# Altium PCB ultra.PcbDoc (part 1 of 9)
Units mm, origin at the board's own origin, x right, y up, seen from the top; angles counter-clockwise.
Board outline 210 x 210 mm, 2 copper layers (Top Layer, Bottom Layer), stack 1.591 mm thick; 722 components, 1083 nets, 2232 pads, 1540 vias.
Unrouted connection lines stored in the file: 21.
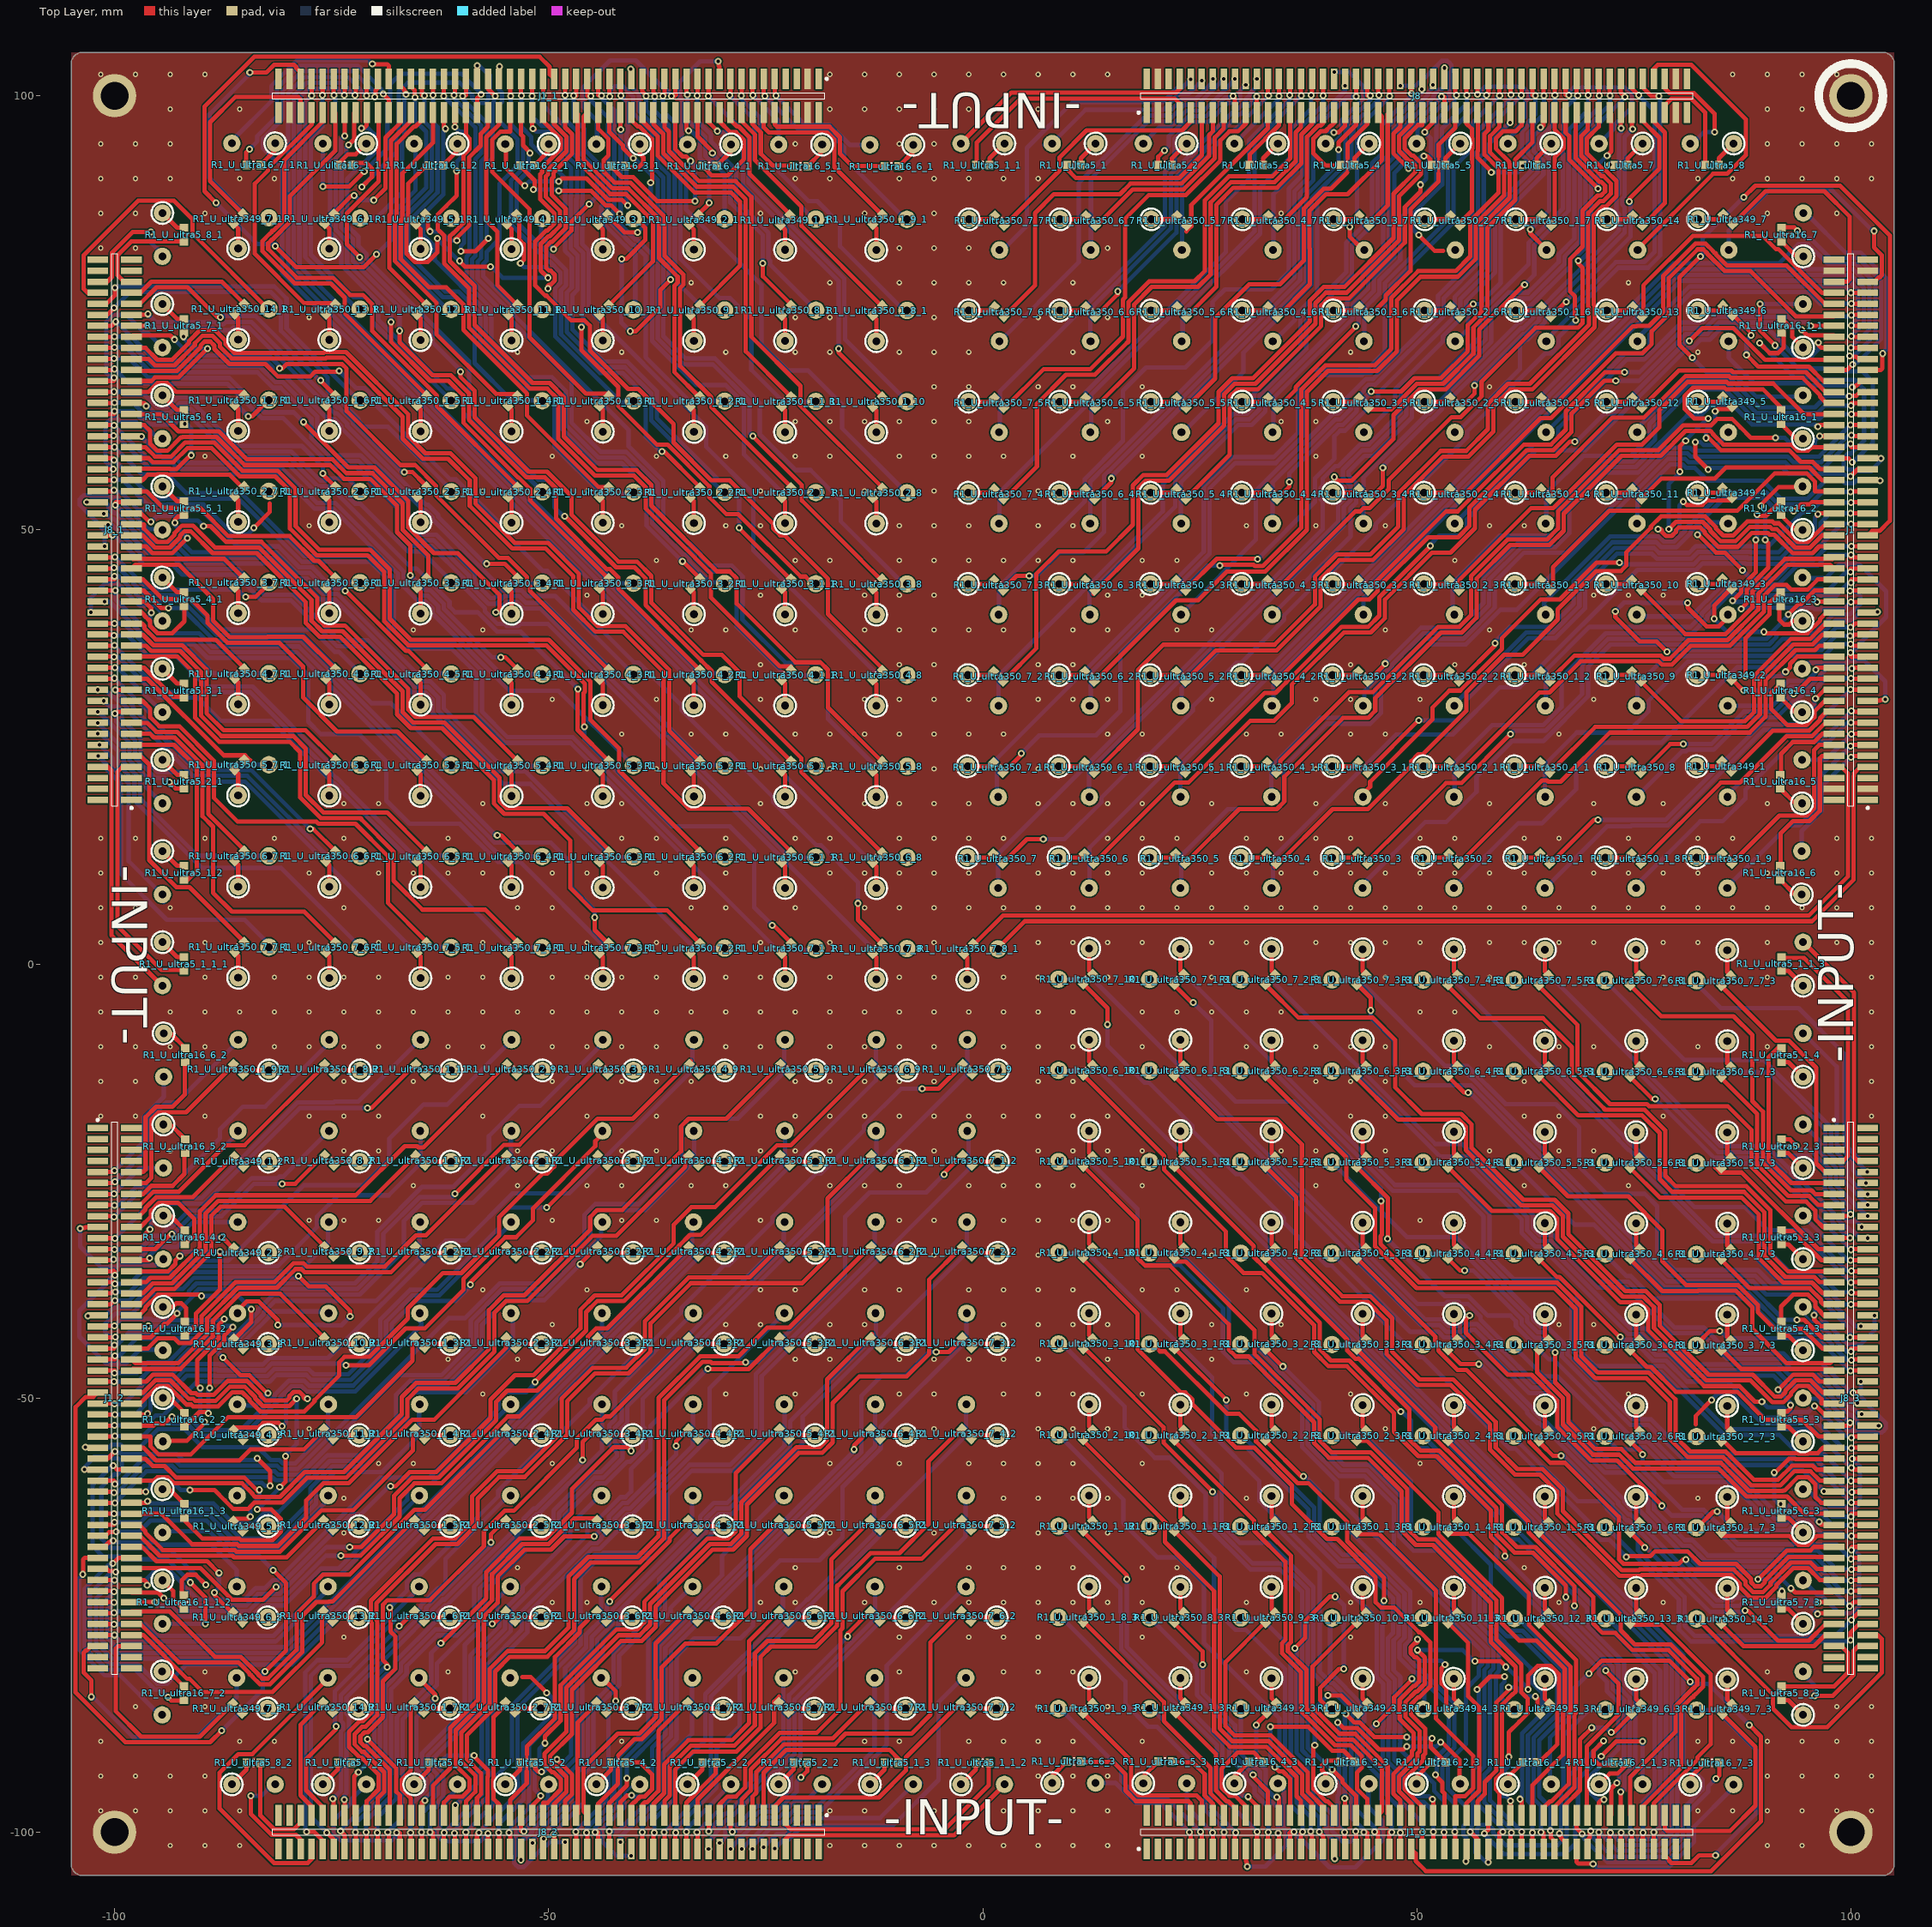
[diagram p0: Top Layer view]
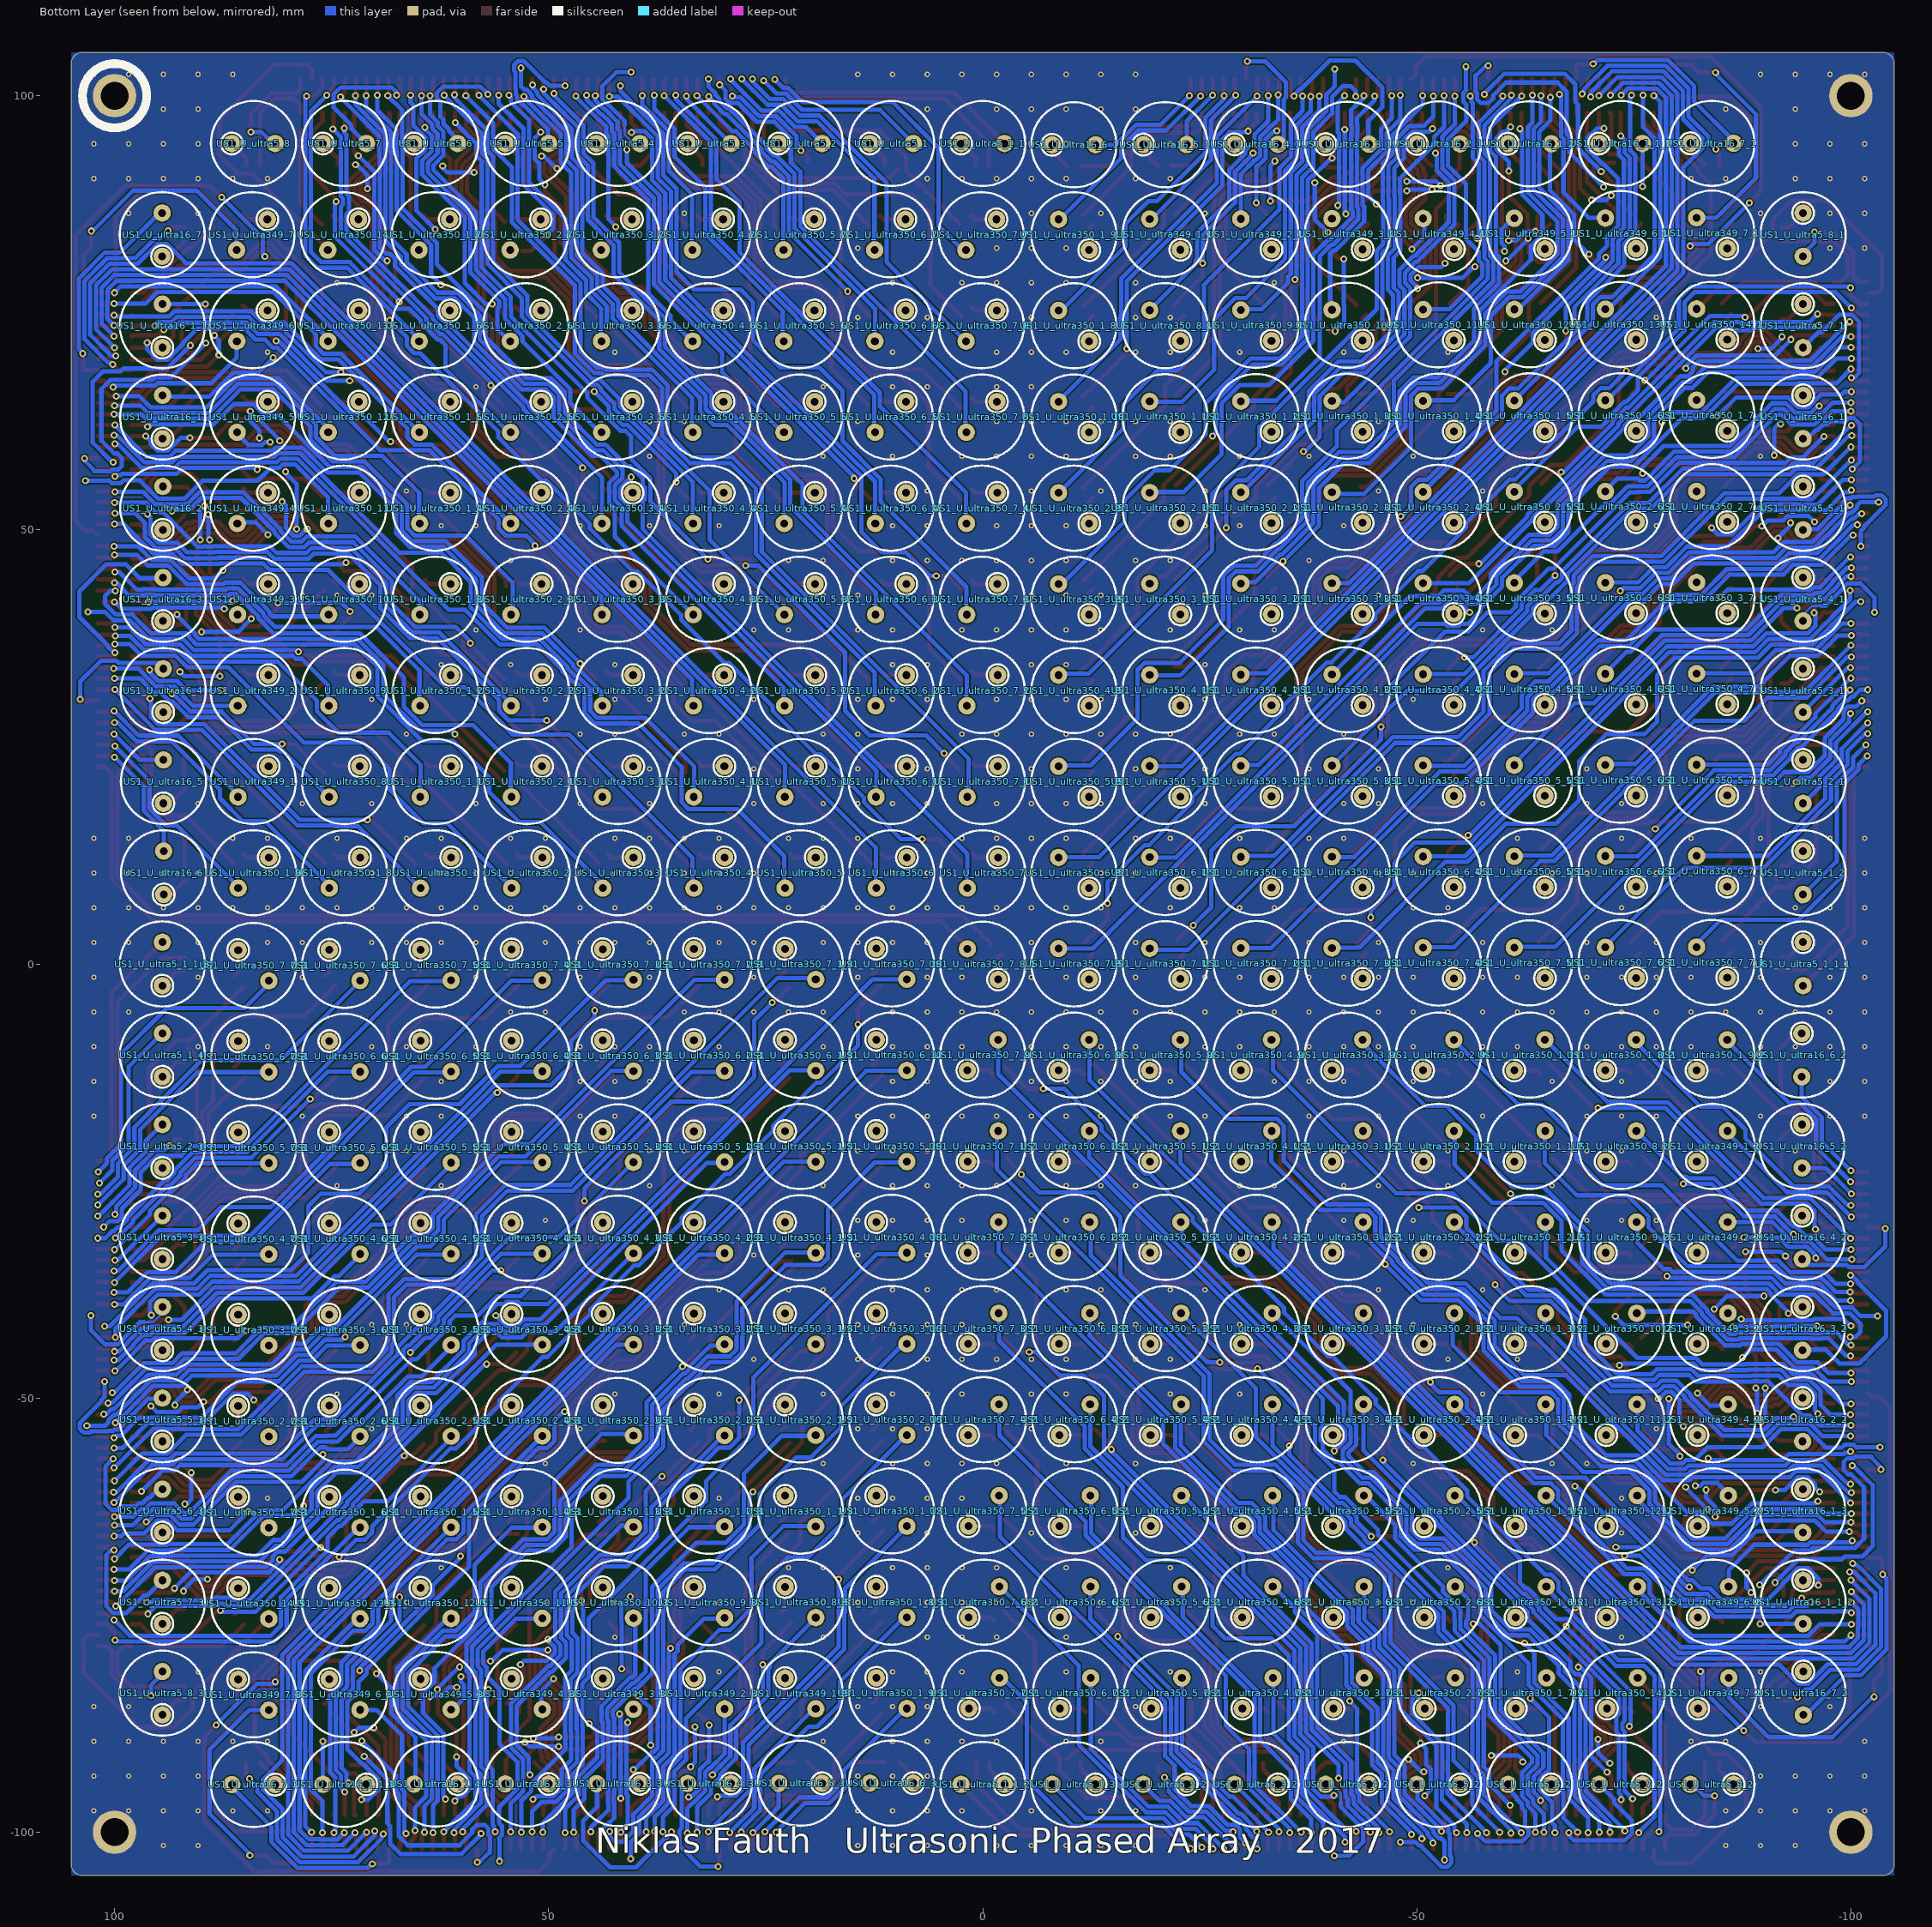
[diagram p1: Bottom Layer view, seen from below]

## Layer stack, top to bottom
Top Solder: solder mask 0.0102, Solder Resist, Dk 3.5
Top Layer: signal copper 0.0356
Dielectric 1: dielectric 1.52, FR-4, Dk 4.8
Bottom Layer: signal copper 0.0356
Bottom Solder: solder mask 0.0102, Solder Resist, Dk 3.5

## Board outline
-105,-103.73 -105,103.73 cw(c-103.73,103.73) -103.73,105 103.73,105 cw(c103.73,103.73) 105,103.73 105,-103.73 cw(c103.73,-103.73) 103.73,-105 -103.73,-105 cw(c-103.73,-103.73)

## Design rules (kind name [scope] priority, off if disabled: settings)
Clearance [All] p1: gap=0.15 ignorepadtopadclearanceinfootprint=FALSE
ComponentClearance [All] p1 off: gap=0.254 collisioncheckmode=3 verticalgap=0.254 showdistances=FALSE
PlaneConnect [All] p1: planeconnectstyle=Direct reliefexpansion=0.508 reliefentries=4 reliefconductorwidth=0.254 reliefairgap=0.254
PolygonConnect [All] p1: connectstyle=Direct reliefconductorwidth=0.254 reliefentries=4 polygonreliefangle="90 Angle" airgapwidth=0.15
RoutingVias [All] p1: holewidth=0.3 width=0.6 viastyle="Through Hole" minholewidth=0.3 minwidth=0.5 maxholewidth=0.711 maxwidth=1.27
SolderMaskExpansion [All] p1: expansion=0.102
Width [All] p1: maxlimit=1 minlimit=0.15 preferedwidth=0.15
28 further rules are at their usual default settings.

## Classes and differential pairs
channel class ultra: U_ultra1 U_ultra2 U_ultra3 U_ultra4 U_ultra5 U_ultra6 U_ultra7 U_ultra8 U_ultra9 U_ultra10 U_ultra11 U_ultra12 U_ultra13 U_ultra14 U_ultra15 U_ultra16 U_ultra17 U_ultra18 U_ultra19 U_ultra20 U_ultra21 U_ultra22 U_ultra23 U_ultra24 U_ultra25 U_ultra26 U_ultra27 U_ultra28 U_ultra29 U_ultra30 U_ultra31 U_ultra32 U_ultra33 U_ultra34 U_ultra35 U_ultra36 U_ultra37 U_ultra38 U_ultra39 U_ultra40 U_ultra41 U_ultra42 U_ultra43 U_ultra44 U_ultra45 U_ultra46 U_ultra47 U_ultra48 U_ultra49 U_ultra50 U_ultra51 U_ultra52 U_ultra53 U_ultra54 U_ultra55 U_ultra56 U_ultra57 U_ultra58 U_ultra59 U_ultra60 U_ultra61 U_ultra62 U_ultra63 U_ultra64 U_ultra65 U_ultra66 U_ultra67 U_ultra68 U_ultra69 U_ultra70 U_ultra71 U_ultra72 U_ultra73 U_ultra74 U_ultra75 U_ultra76 U_ultra77 U_ultra78 U_ultra79 U_ultra80 U_ultra81 U_ultra82 U_ultra83 U_ultra84 U_ultra85 U_ultra86 U_ultra87 U_ultra88 U_ultra89 U_ultra90 U_ultra91 U_ultra92 U_ultra93 U_ultra94 U_ultra95 U_ultra96 U_ultra97 U_ultra98 U_ultra99 U_ultra100 U_ultra101 U_ultra102 U_ultra103 U_ultra104 U_ultra105 U_ultra106 U_ultra107 U_ultra108 U_ultra109 U_ultra110 U_ultra111 U_ultra112 U_ultra113 U_ultra114 U_ultra115 U_ultra116 U_ultra117 U_ultra118 U_ultra119 U_ultra120 U_ultra121 U_ultra122 U_ultra123 U_ultra124 U_ultra125 U_ultra126 U_ultra127 U_ultra128 U_ultra129 U_ultra130 U_ultra131 U_ultra132 U_ultra133 U_ultra134 U_ultra135 U_ultra136 U_ultra137 U_ultra138 U_ultra139 U_ultra140 U_ultra141 U_ultra142 U_ultra143 U_ultra144 U_ultra145 U_ultra146 U_ultra147 U_ultra148 U_ultra149 U_ultra150 U_ultra151 U_ultra152 U_ultra153 U_ultra154 U_ultra155 U_ultra156 U_ultra157 U_ultra158 U_ultra159 U_ultra160 U_ultra161 U_ultra162 U_ultra163 U_ultra164 U_ultra165 U_ultra166 U_ultra167 U_ultra168 U_ultra169 U_ultra170 U_ultra171 U_ultra172 U_ultra173 U_ultra174 U_ultra175 U_ultra176 U_ultra177 U_ultra178 U_ultra179 U_ultra180 U_ultra181 U_ultra182 U_ultra183 U_ultra184 U_ultra185 U_ultra186 U_ultra187 U_ultra188 U_ultra189 U_ultra190 U_ultra191 U_ultra192 U_ultra193 U_ultra194 U_ultra195 U_ultra196 U_ultra197 U_ultra198 U_ultra199 U_ultra200 U_ultra201 U_ultra202 U_ultra203 U_ultra204 U_ultra205 U_ultra206 U_ultra207 U_ultra208 U_ultra209 U_ultra210 U_ultra211 U_ultra212 U_ultra213 U_ultra214 U_ultra215 U_ultra216 U_ultra217 U_ultra218 U_ultra219 U_ultra220 U_ultra221 U_ultra222 U_ultra223 U_ultra224 U_ultra225 U_ultra226 U_ultra227 U_ultra228 U_ultra229 U_ultra230 U_ultra231 U_ultra232 U_ultra233 U_ultra234 U_ultra235 U_ultra236 U_ultra237 U_ultra238 U_ultra239 U_ultra240 U_ultra241 U_ultra242 U_ultra243 U_ultra244 U_ultra245 U_ultra246 U_ultra247 U_ultra248 U_ultra249 U_ultra250 U_ultra251 U_ultra252 U_ultra253 U_ultra254 U_ultra255 U_ultra256 U_ultra257 U_ultra258 U_ultra259 U_ultra260 U_ultra261 U_ultra262 U_ultra263 U_ultra264 U_ultra265 U_ultra266 U_ultra267 U_ultra268 U_ultra269 U_ultra270 U_ultra271 U_ultra272 U_ultra273 U_ultra274 U_ultra275 U_ultra276 U_ultra277 U_ultra278 U_ultra279 U_ultra280 U_ultra281 U_ultra282 U_ultra283 U_ultra284 U_ultra285 U_ultra286 U_ultra287 U_ultra288 U_ultra289 U_ultra290 U_ultra291 U_ultra292 U_ultra293 U_ultra294 U_ultra295 U_ultra296 U_ultra297 U_ultra298 U_ultra299 U_ultra300 U_ultra301 U_ultra302 U_ultra303 U_ultra304 U_ultra305 U_ultra306 U_ultra307 U_ultra308 U_ultra309 U_ultra310 U_ultra311 U_ultra312 U_ultra313 U_ultra314 U_ultra315 U_ultra316 U_ultra317 U_ultra318 U_ultra319 U_ultra320 U_ultra321 U_ultra322 U_ultra323 U_ultra324 U_ultra325 U_ultra326 U_ultra327 U_ultra328 U_ultra329 U_ultra330 U_ultra331 U_ultra332 U_ultra333 U_ultra334 U_ultra335 U_ultra336 U_ultra337 U_ultra338 U_ultra339 U_ultra340 U_ultra341 U_ultra342 U_ultra343 U_ultra344 U_ultra345 U_ultra346 U_ultra347 U_ultra348 U_ultra349 U_ultra350 U_ultra351 U_ultra352 U_ultra353 U_ultra354 U_ultra355 U_ultra356 U_ultra357 U_ultra358 U_ultra359 U_ultra360
component class transmitter: J1 J8

## Components (designator, comment, footprint, x,y, rotation, side; value= is the part's Value field where it differs from the comment)
J1 "CONN" SOP127P640X300-100L 100,50 r180 top
J1_1 "CONN" SOP127P640X300-100L -50,100 r270 top (schematic designator J1)
J1_2 "CONN" SOP127P640X300-100L -100,-50 r0 top (schematic designator J1)
J1_3 "CONN" SOP127P640X300-100L 50,-100 r90 top (schematic designator J1)
J8 "CONN" SOP127P640X300-100L 50,100 r90 top
J8_1 "CONN" SOP127P640X300-100L -100,50 r180 top (schematic designator J8)
J8_2 "CONN" SOP127P640X300-100L -50,-100 r270 top (schematic designator J8)
J8_3 "CONN" SOP127P640X300-100L 100,-50 r0 top (schematic designator J8)
R1_U_ultra5_1 "0" R-0603-M 10.5,92 r0 top (schematic designator R1)
R1_U_ultra5_1_1 "0" R-0603-M 0,92 r0 top (schematic designator R1)
R1_U_ultra5_1_1_1 "0" R-0603-M -92,0 r90 top (schematic designator R1)
R1_U_ultra5_1_1_2 "0" R-0603-M 0,-92 r180 top (schematic designator R1)
R1_U_ultra5_1_1_3 "0" R-0603-M 92,0 r270 top (schematic designator R1)
R1_U_ultra5_1_2 "0" R-0603-M -92,10.5 r90 top (schematic designator R1)
R1_U_ultra5_1_3 "0" R-0603-M -10.5,-92 r180 top (schematic designator R1)
R1_U_ultra5_1_4 "0" R-0603-M 92,-10.5 r270 top (schematic designator R1)
R1_U_ultra5_2 "0" R-0603-M 21,92 r0 top (schematic designator R1)
R1_U_ultra5_2_1 "0" R-0603-M -92,21 r90 top (schematic designator R1)
R1_U_ultra5_2_2 "0" R-0603-M -21,-92 r180 top (schematic designator R1)
R1_U_ultra5_2_3 "0" R-0603-M 92,-21 r270 top (schematic designator R1)
R1_U_ultra5_3 "0" R-0603-M 31.5,92 r0 top (schematic designator R1)
R1_U_ultra5_3_1 "0" R-0603-M -92,31.5 r90 top (schematic designator R1)
R1_U_ultra5_3_2 "0" R-0603-M -31.5,-92 r180 top (schematic designator R1)
R1_U_ultra5_3_3 "0" R-0603-M 92,-31.5 r270 top (schematic designator R1)
R1_U_ultra5_4 "0" R-0603-M 42,92 r0 top (schematic designator R1)
R1_U_ultra5_4_1 "0" R-0603-M -92,42 r90 top (schematic designator R1)
R1_U_ultra5_4_2 "0" R-0603-M -42,-92 r180 top (schematic designator R1)
R1_U_ultra5_4_3 "0" R-0603-M 92,-42 r270 top (schematic designator R1)
R1_U_ultra5_5 "0" R-0603-M 52.5,92 r0 top (schematic designator R1)
R1_U_ultra5_5_1 "0" R-0603-M -92,52.5 r90 top (schematic designator R1)
R1_U_ultra5_5_2 "0" R-0603-M -52.5,-92 r180 top (schematic designator R1)
R1_U_ultra5_5_3 "0" R-0603-M 92,-52.5 r270 top (schematic designator R1)
R1_U_ultra5_6 "0" R-0603-M 63,92 r0 top (schematic designator R1)
R1_U_ultra5_6_1 "0" R-0603-M -92,63 r90 top (schematic designator R1)
R1_U_ultra5_6_2 "0" R-0603-M -63,-92 r180 top (schematic designator R1)
R1_U_ultra5_6_3 "0" R-0603-M 92,-63 r270 top (schematic designator R1)
R1_U_ultra5_7 "0" R-0603-M 73.5,92 r0 top (schematic designator R1)
R1_U_ultra5_7_1 "0" R-0603-M -92,73.5 r90 top (schematic designator R1)
R1_U_ultra5_7_2 "0" R-0603-M -73.5,-92 r180 top (schematic designator R1)
R1_U_ultra5_7_3 "0" R-0603-M 92,-73.5 r270 top (schematic designator R1)
R1_U_ultra5_8 "0" R-0603-M 84,92 r0 top (schematic designator R1)
R1_U_ultra5_8_1 "0" R-0603-M -92,84 r90 top (schematic designator R1)
R1_U_ultra5_8_2 "0" R-0603-M -84,-92 r180 top (schematic designator R1)
R1_U_ultra5_8_3 "0" R-0603-M 92,-84 r270 top (schematic designator R1)
R1_U_ultra16_1 "0" R-0603-M 91.975,63 r270 top (schematic designator R1)
R1_U_ultra16_1_1 "0" R-0603-M 92,73.5 r270 top (schematic designator R1)
R1_U_ultra16_1_1_1 "0" R-0603-M -73.5,92 r0 top (schematic designator R1)
R1_U_ultra16_1_1_2 "0" R-0603-M -92,-73.5 r90 top (schematic designator R1)
R1_U_ultra16_1_1_3 "0" R-0603-M 73.5,-92 r180 top (schematic designator R1)
R1_U_ultra16_1_2 "0" R-0603-M -63,91.975 r0 top (schematic designator R1)
R1_U_ultra16_1_3 "0" R-0603-M -91.975,-63 r90 top (schematic designator R1)
R1_U_ultra16_1_4 "0" R-0603-M 63,-91.975 r180 top (schematic designator R1)
R1_U_ultra16_2 "0" R-0603-M 91.95,52.5 r270 top (schematic designator R1)
R1_U_ultra16_2_1 "0" R-0603-M -52.5,91.95 r0 top (schematic designator R1)
R1_U_ultra16_2_2 "0" R-0603-M -91.95,-52.5 r90 top (schematic designator R1)
R1_U_ultra16_2_3 "0" R-0603-M 52.5,-91.95 r180 top (schematic designator R1)
R1_U_ultra16_3 "0" R-0603-M 91.925,42 r270 top (schematic designator R1)
R1_U_ultra16_3_1 "0" R-0603-M -42,91.925 r0 top (schematic designator R1)
R1_U_ultra16_3_2 "0" R-0603-M -91.925,-42 r90 top (schematic designator R1)
R1_U_ultra16_3_3 "0" R-0603-M 42,-91.925 r180 top (schematic designator R1)
R1_U_ultra16_4 "0" R-0603-M 91.9,31.5 r270 top (schematic designator R1)
R1_U_ultra16_4_1 "0" R-0603-M -31.5,91.9 r0 top (schematic designator R1)
R1_U_ultra16_4_2 "0" R-0603-M -91.9,-31.5 r90 top (schematic designator R1)
R1_U_ultra16_4_3 "0" R-0603-M 31.5,-91.9 r180 top (schematic designator R1)
R1_U_ultra16_5 "0" R-0603-M 91.875,21 r270 top (schematic designator R1)
R1_U_ultra16_5_1 "0" R-0603-M -21,91.875 r0 top (schematic designator R1)
R1_U_ultra16_5_2 "0" R-0603-M -91.875,-21 r90 top (schematic designator R1)
R1_U_ultra16_5_3 "0" R-0603-M 21,-91.875 r180 top (schematic designator R1)
R1_U_ultra16_6 "0" R-0603-M 91.85,10.5 r270 top (schematic designator R1)
R1_U_ultra16_6_1 "0" R-0603-M -10.5,91.85 r0 top (schematic designator R1)
R1_U_ultra16_6_2 "0" R-0603-M -91.85,-10.5 r90 top (schematic designator R1)
R1_U_ultra16_6_3 "0" R-0603-M 10.5,-91.85 r180 top (schematic designator R1)
R1_U_ultra16_7 "0" R-0603-M 92.025,84 r270 top (schematic designator R1)
R1_U_ultra16_7_1 "0" R-0603-M -84,92.025 r0 top (schematic designator R1)
R1_U_ultra16_7_2 "0" R-0603-M -92.025,-84 r90 top (schematic designator R1)
R1_U_ultra16_7_3 "0" R-0603-M 84,-92.025 r180 top (schematic designator R1)
R1_U_ultra349_1 "0" R-0603-M 85.69,22.76 r135 top (schematic designator R1)
R1_U_ultra349_1_1 "0" R-0603-M -22.76,85.69 r225 top (schematic designator R1)
R1_U_ultra349_1_2 "0" R-0603-M -85.69,-22.76 r315 top (schematic designator R1)
R1_U_ultra349_1_3 "0" R-0603-M 22.76,-85.69 r45 top (schematic designator R1)
R1_U_ultra349_2 "0" R-0603-M 85.715,33.26 r135 top (schematic designator R1)
R1_U_ultra349_2_1 "0" R-0603-M -33.26,85.715 r225 top (schematic designator R1)
R1_U_ultra349_2_2 "0" R-0603-M -85.715,-33.26 r315 top (schematic designator R1)
R1_U_ultra349_2_3 "0" R-0603-M 33.26,-85.715 r45 top (schematic designator R1)
R1_U_ultra349_3 "0" R-0603-M 85.74,43.76 r135 top (schematic designator R1)
R1_U_ultra349_3_1 "0" R-0603-M -43.76,85.74 r225 top (schematic designator R1)
R1_U_ultra349_3_2 "0" R-0603-M -85.74,-43.76 r315 top (schematic designator R1)
R1_U_ultra349_3_3 "0" R-0603-M 43.76,-85.74 r45 top (schematic designator R1)
R1_U_ultra349_4 "0" R-0603-M 85.765,54.26 r135 top (schematic designator R1)
R1_U_ultra349_4_1 "0" R-0603-M -54.26,85.765 r225 top (schematic designator R1)
R1_U_ultra349_4_2 "0" R-0603-M -85.765,-54.26 r315 top (schematic designator R1)
R1_U_ultra349_4_3 "0" R-0603-M 54.26,-85.765 r45 top (schematic designator R1)
R1_U_ultra349_5 "0" R-0603-M 85.79,64.76 r135 top (schematic designator R1)
R1_U_ultra349_5_1 "0" R-0603-M -64.76,85.79 r225 top (schematic designator R1)
R1_U_ultra349_5_2 "0" R-0603-M -85.79,-64.76 r315 top (schematic designator R1)
R1_U_ultra349_5_3 "0" R-0603-M 64.76,-85.79 r45 top (schematic designator R1)
R1_U_ultra349_6 "0" R-0603-M 85.815,75.26 r135 top (schematic designator R1)
R1_U_ultra349_6_1 "0" R-0603-M -75.26,85.815 r225 top (schematic designator R1)
R1_U_ultra349_6_2 "0" R-0603-M -85.815,-75.26 r315 top (schematic designator R1)
R1_U_ultra349_6_3 "0" R-0603-M 75.26,-85.815 r45 top (schematic designator R1)
R1_U_ultra349_7 "0" R-0603-M 85.84,85.76 r135 top (schematic designator R1)
R1_U_ultra349_7_1 "0" R-0603-M -85.76,85.84 r225 top (schematic designator R1)
R1_U_ultra349_7_2 "0" R-0603-M -85.84,-85.76 r315 top (schematic designator R1)
R1_U_ultra349_7_3 "0" R-0603-M 85.76,-85.84 r45 top (schematic designator R1)
R1_U_ultra350_1 "0" R-0603-M 64.757,12.122 r135 top (schematic designator R1)
R1_U_ultra350_1_1 "0" R-0603-M 64.782,22.622 r135 top (schematic designator R1)
R1_U_ultra350_1_1_1 "0" R-0603-M -22.622,64.782 r225 top (schematic designator R1)
R1_U_ultra350_1_1_2 "0" R-0603-M -64.782,-22.622 r315 top (schematic designator R1)
R1_U_ultra350_1_1_3 "0" R-0603-M 22.622,-64.782 r45 top (schematic designator R1)
R1_U_ultra350_1_2 "0" R-0603-M 64.807,33.122 r135 top (schematic designator R1)
R1_U_ultra350_1_2_1 "0" R-0603-M -33.122,64.807 r225 top (schematic designator R1)
R1_U_ultra350_1_2_2 "0" R-0603-M -64.807,-33.122 r315 top (schematic designator R1)
R1_U_ultra350_1_2_3 "0" R-0603-M 33.122,-64.807 r45 top (schematic designator R1)
R1_U_ultra350_1_3 "0" R-0603-M 64.832,43.622 r135 top (schematic designator R1)
R1_U_ultra350_1_3_1 "0" R-0603-M -43.622,64.832 r225 top (schematic designator R1)
R1_U_ultra350_1_3_2 "0" R-0603-M -64.832,-43.622 r315 top (schematic designator R1)
R1_U_ultra350_1_3_3 "0" R-0603-M 43.622,-64.832 r45 top (schematic designator R1)
R1_U_ultra350_1_4 "0" R-0603-M 64.857,54.122 r135 top (schematic designator R1)
R1_U_ultra350_1_4_1 "0" R-0603-M -54.122,64.857 r225 top (schematic designator R1)
R1_U_ultra350_1_4_2 "0" R-0603-M -64.857,-54.122 r315 top (schematic designator R1)
R1_U_ultra350_1_4_3 "0" R-0603-M 54.122,-64.857 r45 top (schematic designator R1)
R1_U_ultra350_1_5 "0" R-0603-M 64.882,64.622 r135 top (schematic designator R1)
R1_U_ultra350_1_5_1 "0" R-0603-M -64.622,64.882 r225 top (schematic designator R1)
R1_U_ultra350_1_5_2 "0" R-0603-M -64.882,-64.622 r315 top (schematic designator R1)
R1_U_ultra350_1_5_3 "0" R-0603-M 64.622,-64.882 r45 top (schematic designator R1)
R1_U_ultra350_1_6 "0" R-0603-M 64.907,75.122 r135 top (schematic designator R1)
R1_U_ultra350_1_6_1 "0" R-0603-M -75.122,64.907 r225 top (schematic designator R1)
R1_U_ultra350_1_6_2 "0" R-0603-M -64.907,-75.122 r315 top (schematic designator R1)
R1_U_ultra350_1_6_3 "0" R-0603-M 75.122,-64.907 r45 top (schematic designator R1)
R1_U_ultra350_1_7 "0" R-0603-M 64.932,85.622 r135 top (schematic designator R1)
R1_U_ultra350_1_7_1 "0" R-0603-M -85.622,64.932 r225 top (schematic designator R1)
R1_U_ultra350_1_7_2 "0" R-0603-M -64.932,-85.622 r315 top (schematic designator R1)
R1_U_ultra350_1_7_3 "0" R-0603-M 85.622,-64.932 r45 top (schematic designator R1)
R1_U_ultra350_1_8 "0" R-0603-M 75.257,12.122 r135 top (schematic designator R1)
R1_U_ultra350_1_8_1 "0" R-0603-M -12.122,75.257 r225 top (schematic designator R1)
R1_U_ultra350_1_8_2 "0" R-0603-M -75.257,-12.122 r315 top (schematic designator R1)
R1_U_ultra350_1_8_3 "0" R-0603-M 12.122,-75.257 r45 top (schematic designator R1)
R1_U_ultra350_1_9 "0" R-0603-M 85.757,12.122 r135 top (schematic designator R1)
R1_U_ultra350_1_9_1 "0" R-0603-M -12.122,85.757 r225 top (schematic designator R1)
R1_U_ultra350_1_9_2 "0" R-0603-M -85.757,-12.122 r315 top (schematic designator R1)
R1_U_ultra350_1_9_3 "0" R-0603-M 12.122,-85.757 r45 top (schematic designator R1)
R1_U_ultra350_1_10 "0" R-0603-M -12.122,64.757 r225 top (schematic designator R1)
R1_U_ultra350_1_11 "0" R-0603-M -64.757,-12.122 r315 top (schematic designator R1)
R1_U_ultra350_1_12 "0" R-0603-M 12.122,-64.757 r45 top (schematic designator R1)
R1_U_ultra350_2 "0" R-0603-M 54.257,12.122 r135 top (schematic designator R1)